# KiCad board RoRo60.kicad_pcb (continued)
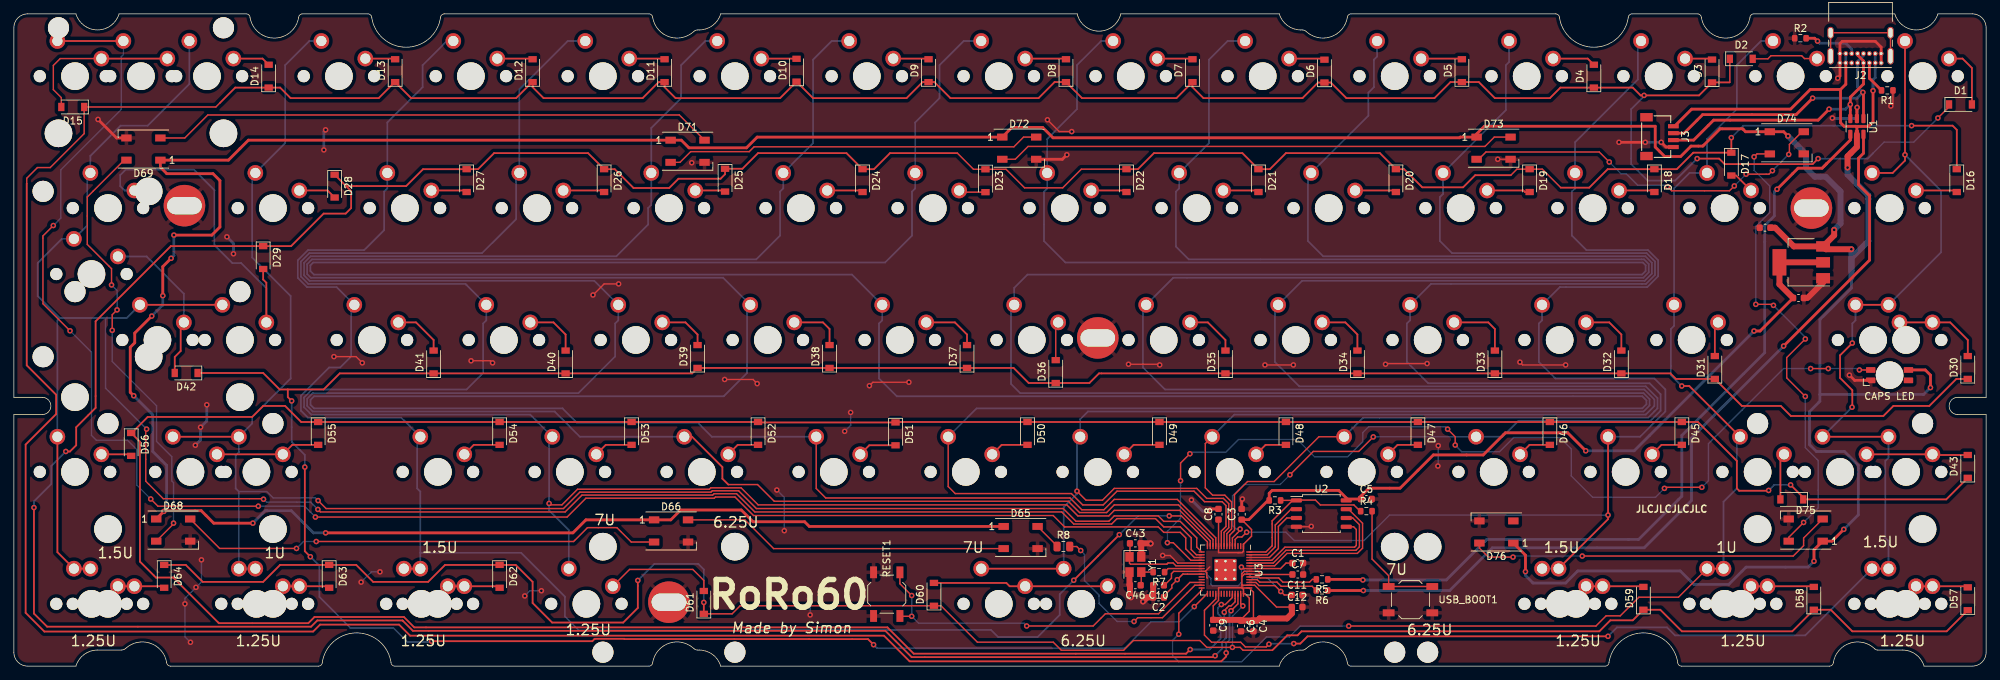
[diagram p0: board, top side]
## Routing (per net, layer and track width the routed paths; a pad name or vN(x,y) marks a point on that pad's centre or on a via; arc(x,y) is an arc through that point) (continued)
Net-(D60-Pad2): length 25.3
  Top w0.25: D60.2 143.26,12.02 143.74,11.54 MX74.1 MX66.1
Net-(D61-Pad2): length 16.3
  Top w0.2: MX67.1 88.88,13.97 98.01,13.97 99.59,12.38 D61.2
Net-(D62-Pad2): length 7.6
  Top w0.25: D62.2 69.9,11.54 MX75.1 MX68.1
Net-(D63-Pad2): length 6.8
  Top w0.25: D63.2 45.29,11.54 MX76.1 MX69.1
Net-(D64-Pad2): length 6.8
  Top w0.25: MX70.1 MX77.1 21.48,11.54 D64.2
Net-(D65-Pad2): length 47.3
  Top w0.2: D66.4 105.53,21.12 109.68,16.97 D65.2
Net-(D65-Pad4): length 4.1
  Top w0.2: R8.1 150.59,17.36 D65.4
Net-(D66-Pad2): length 70.8
  Top w0.2: D68.4 29.7,17 v1(40.8,17) ; v1(43.65,18) 80.8,18 82.8,20 87.05,20 89.13,17.92 D66.2
  Bottom w0.2: v1(43.65,18) 41.8,18 v1(40.8,17)
Net-(D68-Pad2): length 64.3
  Top w0.2: v1(14.2,48.5) 14.2,50.75 v1(14.9,51.45) ; D69.4 15.93,73.07 10.6,67.75 10.6,60.9 14.1,57.4 v1(14.1,55.05) ; D68.2 23.05,20.55 v1(23.05,20.65)
  Bottom w0.2: v1(23.05,20.65) 23.05,26.5 22.8,26.75 22.8,30.25 20.6,32.45 20.6,37.6 14.2,44 v1(14.2,48.5) ; v1(14.9,51.45) 14.9,54.25 v1(14.1,55.05)
Net-(D69-Pad2): length 81.4
  Top w0.2: D69.2 24.68,76.27 28,79.6 96.06,79.6 D71.4
Net-(D71-Pad2): length 54.3
  Top w0.2: D72.4 145.75,76.4 144.35,75 106.85,75 106.15,74.3 97.7,74.3 96.16,72.76 D71.2
Net-(D72-Pad2): length 74.7
  Top w0.2: D72.2 144.55,73.2 146.4,75.05 212.35,75.05 213.7,76.4 D73.4
Net-(D73-Pad2): length 54.3
  Top w0.2: v1(248.35,69.35) 247.65,68.65 239.3,68.65 v1(238.7,69.25) ; D74.4 258.13,77.17 256.3,75.35 256.3,74 v1(256.2,73.9) ; D73.2 211.45,73.2 212.5,74.25 228.85,74.25 v1(230.3,72.8) ; v1(253.85,71.55) 253.35,71.05 v1(250.05,71.05)
  Bottom w0.2: v1(253.85,71.55) v1(256.2,73.9) ; v1(230.3,72.8) 232,71.1 232.75,71.1 234.4,69.45 238.5,69.45 v1(238.7,69.25) ; v1(248.35,69.35) v1(250.05,71.05)
Net-(D74-Pad2): length 68.8
  Top w0.2: D74.2 251.63,73.97 v1(251.2,73.55) ; v1(258.6,38.95) 258.59,38.95 255.91,41.62 255.91,44.56 v1(258.6,47.25) ; D75.4 256.2,18.6 v1(258.35,20.75) ; v1(254,52.1) 253.85,52.25 v1(251.45,52.25)
  Bottom w0.2: v1(251.2,73.55) 251.2,71.6 253.45,69.35 253.45,65.5 251.45,63.5 v1(251.45,52.25) ; v1(254,52.1) 258.6,47.5 v1(258.6,47.25) ; v1(258.6,38.95) 258.6,31.55 260.45,29.7 260.45,22.85 v1(258.35,20.75)
Net-(D75-Pad2): length 53.7
  Top w0.2: D76.4 211.55,17.05 212.85,15.75 v1(216.4,15.75) ; v1(226.4,15.9) 256.85,15.9 258.35,17.4 258.35,18.5 D75.2
  Bottom w0.2: v1(226.4,15.9) 216.55,15.9 v1(216.4,15.75)
Net-(J2-PadA5): length 4.7
  Top w0.4: J2.A5 267.84,84.9 R1.2
Net-(J2-PadB5): length 7.9
  Top w0.4: v1(260.36,90.26) 259.94,90.68 R2.2
  Bottom w0.4: J2.B5 265.29,89.1 264.43,89.96 260.66,89.96 v1(260.36,90.26)
Net-(R4-Pad2): length 18.2
  Top w0.2: R4.2 196.06,15.46 198.45,13.07 USB_BOOT1.2 USB_BOOT1.2
Net-(R5-Pad2): length 10.2
  Top w0.2: R5.2 187.43,12.53 187.03,12.13 183.18,12.13 182.58,12.73 179.88,12.73 179.73,12.89 U3.47
Net-(R6-Pad2): length 10.3
  Top w0.2: R6.2 187.41,11.53 182.93,11.53 182.33,12.13 179.83,12.13 179.48,12.49 U3.46
unconnected-(J2-PadS1): length 15.4
  Top w0.2: J2.S1 J2.S1 J2.S1 J2.S1

## Copper pours and planes (outline as drawn; the poured copper is in the pictures)
+3V3 on Top: 172.1,13.63 172.99,13.89 172.99,15.79 177.69,15.79 177.69,16.68 172.1,16.68
+3V3 on Top: 172.1,11.09 177.56,11.09 177.56,11.73 172.48,11.73 172.48,12.87 172.1,13.25
GND on Top: 289.63,98.58 287.28,-4.4 -9.31,-6.5 -7.56,104.15
GND on Bottom: 287.37,97.48 285.78,-2.66 -3.27,-10.29 -8.33,104.76

## Text on the board
B.Silkscreen: 1.25U | 1.5U | 1U | 7U | 6.25U
F.Silkscreen: JLCJLCJLCJLC | 1.25U | 1.5U | 1U | 7U | 6.25U | Made by Simon | RoRo60
